# Allegro board SDHCalFEB.brd (continued)
## Routing (per net, layer and track width the routed paths; a pad name or vN(x,y) marks a point on that pad's centre or on a via; arc(x,y) is an arc through that point) (continued)
ANALOGIN10_ASIC_B7: length 22.1
  TOP w0.127: C619.2 47.65,244.7 49.64,242.72 U520.155
ANALOGIN10_ASIC_C1: length 22.2
  TOP w0.127: U585.155 289.67,162.27 287.65,164.29 C706.2
ANALOGIN10_ASIC_C2: length 22.2
  TOP w0.127: C793.2 207.67,165.23 209.66,163.24 U650.155
ANALOGIN10_ASIC_C3: length 22.2
  TOP w0.127: U715.155 129.65,163.01 127.66,165 C880.2
ANALOGIN10_ASIC_C4: length 22.2
  TOP w0.127: C967.2 47.65,164.21 49.64,162.22 U780.155
ANALOGIN10_ASIC_D1: length 22.1
  TOP w0.127: U845.155 289.67,82.95 287.65,84.96 C1054.2
ANALOGIN10_ASIC_D2: length 22.2
  TOP w0.127: C1141.2 207.67,84.43 209.66,82.44 U910.155
ANALOGIN10_ASIC_D3: length 22.2
  TOP w0.127: U975.155 129.65,83.48 127.66,85.47 C1228.2
ANALOGIN10_ASIC_D4: length 22.2
  TOP w0.127: U1040.155 49.64,82.44 47.65,84.43 C1315.2
ANALOGIN11_ASIC_A1: length 21.4
  TOP w0.127: C11.2 285.25,324.76 289.02,320.99 U65.156
ANALOGIN11_ASIC_A2: length 21.4
  TOP w0.127: C98.2 205.22,324.42 209.01,320.63 U130.156
ANALOGIN11_ASIC_A3: length 21.4
  TOP w0.127: C185.2 125.21,324.85 129,321.07 U195.156
ANALOGIN11_ASIC_A4: length 19.4
  TOP w0.127: U260.156 48.99,319.87 46.58,322.28 46.58,329.87 45.26,331.19 C272.2
ANALOGIN11_ASIC_B1: length 21.5
  TOP w0.127: C359.2 285.25,253.19 287.32,251.11 287.32,242.47 289.02,240.78 U325.156
ANALOGIN11_ASIC_B5: length 21.4
  TOP w0.127: U390.156 209.01,242.27 206.71,244.58 206.71,251.7 205.24,253.16 C446.2
ANALOGIN11_ASIC_B6: length 21.4
  TOP w0.127: U455.156 129,240.98 126.62,243.36 126.62,251.75 125.26,253.11 C533.2
ANALOGIN11_ASIC_B7: length 21.4
  TOP w0.127: C620.2 45.25,253.16 46.84,251.57 46.84,244.25 48.99,242.1 U520.156
ANALOGIN11_ASIC_C1: length 21.4
  TOP w0.127: C707.2 286.84,171.5 286.84,163.98 289.02,161.81 U585.156
ANALOGIN11_ASIC_C2: length 21.4
  TOP w0.127: U650.156 209.01,162.8 207.09,164.72 207.09,171.28 205.24,173.13 C794.2
ANALOGIN11_ASIC_C3: length 21.4
  TOP w0.127: U715.156 129,162.57 126.62,164.95 126.62,171.77 125.25,173.13 C881.2
ANALOGIN11_ASIC_C4: length 21.3
  TOP w0.127: C968.2 45.23,172.19 46.66,170.76 46.66,164.03 48.99,161.71 U780.156
ANALOGIN11_ASIC_D1: length 21.4
  TOP w0.127: U845.156 289.02,82.2 286.94,84.28 286.94,91.42 285.25,93.12 C1055.2
ANALOGIN11_ASIC_D2: length 21.4
  TOP w0.127: C1142.2 205.24,93.12 206.86,91.5 206.86,83.67 209.01,81.52 U910.156
ANALOGIN11_ASIC_D3: length 21.4
  TOP w0.127: U975.156 129,83.19 126.95,85.24 126.95,91.4 125.26,93.09 C1229.2
ANALOGIN11_ASIC_D4: length 21.4
  TOP w0.127: C1316.2 45.25,93.12 46.79,91.58 46.79,83.52 48.99,81.31 U1040.156
ANALOGIN12_ASIC_A1: length 13.3
  TOP w0.127: C12.2 288.37,319.99 U65.157
ANALOGIN12_ASIC_A2: length 13.3
  TOP w0.127: C99.2 208.36,320.08 U130.157
ANALOGIN12_ASIC_A3: length 13.3
  TOP w0.127: U195.157 128.35,320.09 123.72,324.71 C186.2
ANALOGIN12_ASIC_A4: length 8.3
  TOP w0.127: C273.2 48.34,315.12 U260.157
ANALOGIN12_ASIC_B1: length 7.8
  TOP w0.127: C360.2 285.5,239.95 288.37,237.09 U325.157
ANALOGIN12_ASIC_B5: length 14.2
  TOP w0.127: U390.157 208.36,241.78 205.23,244.91 C447.2
ANALOGIN12_ASIC_B6: length 14.1
  TOP w0.127: C534.2 125.22,243.74 128.35,240.61 U455.157
ANALOGIN12_ASIC_B7: length 14.1
  TOP w0.127: U520.157 48.34,241.32 45.24,244.42 C621.2
ANALOGIN12_ASIC_C1: length 14.1
  TOP w0.127: U585.157 288.37,161.24 285.24,164.36 C708.2
ANALOGIN12_ASIC_C2: length 14.1
  TOP w0.127: U650.157 208.36,162.2 205.23,165.33 C795.2
ANALOGIN12_ASIC_C3: length 14.1
  TOP w0.127: C882.2 125.22,165.35 128.35,162.23 U715.157
ANALOGIN12_ASIC_C4: length 14.1
  TOP w0.127: U780.157 48.34,161.14 45.24,164.24 C969.2
ANALOGIN12_ASIC_D1: length 14.1
  TOP w0.127: U845.157 288.37,81.45 285.22,84.61 C1056.2
ANALOGIN12_ASIC_D2: length 14.1
  TOP w0.127: U910.157 208.36,80.85 205.23,83.97 C1143.2
ANALOGIN12_ASIC_D3: length 14.1
  TOP w0.127: U975.157 128.35,82.22 125.22,85.34 C1230.2
ANALOGIN12_ASIC_D4: length 14.1
  TOP w0.127: C1317.2 45.21,83.57 48.34,80.44 U1040.157
ANALOGIN13_ASIC_A1: length 21.5
  TOP w0.127: C13.2 277.76,325.44 287.72,315.48 U65.158
ANALOGIN13_ASIC_A2: length 18.5
  TOP w0.127: C100.2 197.68,325.31 207.71,315.28 U130.158
ANALOGIN13_ASIC_A3: length 19.4
  TOP w0.127: C187.2 119.18,324 127.7,315.48 U195.158
ANALOGIN13_ASIC_B1: length 21.5
  TOP w0.127: C361.2 277.72,245.52 287.72,235.52 U325.158
ANALOGIN13_ASIC_B5: length 21.5
  TOP w0.127: C448.2 197.69,244.91 207.71,234.89 U390.158
ANALOGIN13_ASIC_B6: length 21.5
  TOP w0.127: U455.158 127.7,235.27 117.7,245.26 C535.2
ANALOGIN13_ASIC_C1: length 21.5
  TOP w0.127: C709.2 277.67,165.46 287.72,155.41 U585.158
ANALOGIN13_ASIC_C2: length 21.5
  TOP w0.127: C796.2 197.66,165.35 207.71,155.31 U650.158
ANALOGIN13_ASIC_C3: length 21.5
  TOP w0.127: U715.158 127.7,155.11 117.65,165.15 C883.2
ANALOGIN13_ASIC_D1: length 21.5
  TOP w0.127: U845.158 287.72,75.07 277.65,85.14 C1057.2
ANALOGIN13_ASIC_D2: length 21.5
  TOP w0.127: C1144.2 197.66,85.67 207.71,75.63 U910.158
ANALOGIN13_ASIC_D3: length 21.5
  TOP w0.127: U975.158 127.7,75.6 117.65,85.65 C1231.2
ANALOGIN14_ASIC_A1: length 29
  TOP w0.127: C14.2 273.9,328.26 287.07,315.09 U65.159
ANALOGIN14_ASIC_A2: length 28.8
  TOP w0.127: U130.159 207.06,314.91 193.8,328.17 C101.2
ANALOGIN14_ASIC_A3: length 28.9
  TOP w0.127: U195.159 127.05,314.96 113.87,328.14 C188.2
ANALOGIN14_ASIC_B1: length 28.1
  TOP w0.127: U325.159 287.07,235.11 277.11,245.06 271.39,245.06 C362.2
ANALOGIN14_ASIC_B5: length 28.8
  TOP w0.127: C449.2 193.52,248.18 207.06,234.65 U390.159
ANALOGIN14_ASIC_B6: length 28.9
  TOP w0.127: C536.2 113.77,248.23 127.05,234.95 U455.159
ANALOGIN14_ASIC_C1: length 29
  TOP w0.127: U585.159 287.07,155.04 273.89,168.22 C710.2
ANALOGIN14_ASIC_C2: length 28.8
  TOP w0.127: U650.159 207.06,154.74 193.57,168.22 C797.2
ANALOGIN14_ASIC_C3: length 28.8
  TOP w0.127: U715.159 127.05,154.69 113.49,168.25 C884.2
ANALOGIN14_ASIC_D1: length 29
  TOP w0.127: C1058.2 273.76,88.24 287.07,74.93 U845.159
ANALOGIN14_ASIC_D2: length 29.1
  TOP w0.127: C1145.2 194.03,88.24 207.06,75.21 U910.159
ANALOGIN14_ASIC_D3: length 28.9
  TOP w0.127: C1232.2 113.64,88.27 127.05,74.86 U975.159
ANALOGIN15_ASIC_A1: length 4.5
  TOP w0.127: C15.2 279.7,310.68 281.16,309.22 U65.3
ANALOGIN15_ASIC_A2: length 4.5
  TOP w0.127: C102.2 201.13,309.22 U130.3
ANALOGIN15_ASIC_A3: length 4.6
  TOP w0.127: U195.3 121.02,309.22 C189.2
ANALOGIN15_ASIC_A4: length 6.9
  TOP w0.127: U260.3 40.19,309.22 C276.2
ANALOGIN15_ASIC_B1: length 4.6
  TOP w0.127: C363.2 279.66,230.68 281.14,229.21 U325.3
ANALOGIN15_ASIC_B5: length 4.6
  TOP w0.127: U390.3 201.11,229.21 C450.2
ANALOGIN15_ASIC_B6: length 4.5
  TOP w0.127: C537.2 121.15,229.21 U455.3
ANALOGIN15_ASIC_B7: length 4.5
  TOP w0.127: C624.2 41.14,229.21 U520.3
ANALOGIN15_ASIC_C1: length 4.5
  TOP w0.127: C711.2 281.17,149.2 U585.3
ANALOGIN15_ASIC_C2: length 4.5
  TOP w0.127: U650.3 201.14,149.2 C798.2
ANALOGIN15_ASIC_C3: length 4.5
  TOP w0.127: U715.3 121.15,149.2 C885.2
ANALOGIN15_ASIC_C4: length 4.5
  TOP w0.127: C972.2 41.17,149.2 U780.3
ANALOGIN15_ASIC_D1: length 4.5
  TOP w0.127: C1059.2 281.17,69.19 U845.3
ANALOGIN15_ASIC_D2: length 4.5
  TOP w0.127: U910.3 201.16,69.19 C1146.2
ANALOGIN15_ASIC_D3: length 4.5
  TOP w0.127: U975.3 121.21,69.19 C1233.2
ANALOGIN15_ASIC_D4: length 6.5
  TOP w0.127: U1040.3 42.16,69.19 39.19,72.17 C1320.2
ANALOGIN16_ASIC_A1: length 16.7
  TOP w0.127: C16.2 277.66,310.83 279.92,308.57 U65.4
ANALOGIN16_ASIC_A2: length 16.7
  TOP w0.127: C103.2 197.71,310.69 199.84,308.57 U130.4
ANALOGIN16_ASIC_A3: length 16.7
  TOP w0.127: U195.4 119.83,308.57 117.68,310.72 C190.2
ANALOGIN16_ASIC_B1: length 16.7
  TOP w0.127: U325.4 279.92,228.56 277.74,230.75 C364.2
ANALOGIN16_ASIC_B5: length 16.8
  TOP w0.127: C451.2 197.69,230.58 199.71,228.56 U390.4
ANALOGIN16_ASIC_B6: length 16.9
  TOP w0.127: C538.2 117.68,230.48 119.6,228.56 U455.4
ANALOGIN16_ASIC_C1: length 16.8
  TOP w0.127: U585.4 279.8,148.55 277.67,150.67 C712.2
ANALOGIN16_ASIC_C2: length 16.7
  TOP w0.127: U650.4 199.89,148.55 197.66,150.77 C799.2
ANALOGIN16_ASIC_C3: length 16.8
  TOP w0.127: C886.2 117.68,150.65 119.78,148.55 U715.4
ANALOGIN16_ASIC_D1: length 16.7
  TOP w0.127: U845.4 279.92,68.54 277.65,70.82 C1060.2
ANALOGIN16_ASIC_D2: length 16.9
  TOP w0.127: U910.4 199.63,68.54 197.66,70.51 C1147.2
ANALOGIN16_ASIC_D3: length 16.7
  TOP w0.127: U975.4 119.93,68.54 117.65,70.82 C1234.2
ANALOGIN17_ASIC_A1: length 23.1
  TOP w0.127: U65.5 279.53,307.92 276.5,310.95 276.5,314.2 270,320.7 C17.2
ANALOGIN17_ASIC_A2: length 23.2
  TOP w0.127: C104.2 190.13,320.71 197.08,313.77 197.08,310.34 199.5,307.92 U130.5
ANALOGIN17_ASIC_A3: length 23
  TOP w0.127: U195.5 119.44,307.92 116.79,310.57 116.79,313.77 109.82,320.74 C191.2
ANALOGIN17_ASIC_B1: length 23.1
  TOP w0.127: U325.5 279.63,227.91 277.06,230.48 277.06,233.81 270.16,240.71 C365.2
ANALOGIN17_ASIC_B5: length 23.5
  TOP w0.127: U390.5 199.4,227.91 197.18,230.12 197.18,234.14 190.61,240.71 C452.2
ANALOGIN17_ASIC_B6: length 23.5
  TOP w0.127: U455.5 119.16,227.91 117.04,230.02 117.04,234.09 110.44,240.69 C539.2
ANALOGIN17_ASIC_C1: length 23.5
  TOP w0.127: U585.5 279.43,147.9 276.99,150.34 276.99,154.28 270.56,160.7 C713.2
ANALOGIN17_ASIC_C2: length 23.3
  TOP w0.127: C800.2 190.33,160.7 196.82,154.2 196.82,150.52 199.45,147.9 U650.5
ANALOGIN17_ASIC_C3: length 23.6
  TOP w0.127: C887.2 110.52,160.7 117.02,154.2 117.02,150.14 119.26,147.9 U715.5
ANALOGIN17_ASIC_D1: length 23.1
  TOP w0.127: U845.5 279.68,67.89 277.01,70.56 277.01,73.79 270.11,80.69 C1061.2
ANALOGIN17_ASIC_D2: length 23.5
  TOP w0.127: U910.5 199.27,67.89 196.93,70.23 196.93,74.19 190.43,80.69 C1148.2
ANALOGIN17_ASIC_D3: length 22.9
  TOP w0.127: C1235.2 109.66,80.69 116.94,73.41 116.94,70.51 119.56,67.89 U975.5
ANALOGIN18_ASIC_A1: length 26.7
  TOP w0.127: U65.6 279.17,307.27 275.49,310.95 275.49,313.77 270.15,319.1 265.01,319.1 263.94,320.17 C18.2
ANALOGIN18_ASIC_A2: length 27.7
  TOP w0.127: C105.2 183.26,320.01 184.05,319.23 190.6,319.23 196.39,313.44 196.39,309.93 199.05,307.27 U130.6
ANALOGIN18_ASIC_A3: length 26.5
  TOP w0.127: C192.2 109.87,319.52 116.08,313.31 116.08,310.21 119.02,307.26 122.57,307.26 122.58,307.27 U195.6
ANALOGIN18_ASIC_A4: length 16.8
  TOP w0.127: C279.2 32.88,314.82 40.43,307.27 U260.6
ANALOGIN18_ASIC_B1: length 26.4
  TOP w0.127: C366.2 270.18,239.49 276.4,233.27 276.4,230.2 279.34,227.26 U325.6
ANALOGIN18_ASIC_B5: length 26.9
  TOP w0.127: C453.2 190.68,239.62 196.42,233.88 196.42,229.87 199.03,227.26 U390.6
ANALOGIN18_ASIC_B6: length 26.8
  TOP w0.127: C540.2 110.49,239.64 116.15,233.98 116.15,229.82 118.71,227.26 U455.6
ANALOGIN18_ASIC_B7: length 14.1
  TOP w0.127: C627.2 41.29,227.26 U520.6
ANALOGIN18_ASIC_C1: length 26.4
  TOP w0.127: U585.6 279.17,147.25 276.33,150.09 276.33,153.92 271.07,159.18 C714.2
ANALOGIN18_ASIC_C2: length 26.5
  TOP w0.127: C801.2 190.22,159.58 196.04,153.77 196.04,150.24 199.03,147.25 U650.6
ANALOGIN18_ASIC_C3: length 27.2
  TOP w0.127: C888.2 110.93,159.38 116.13,154.18 116.13,150.01 118.89,147.25 U715.6
ANALOGIN18_ASIC_C4: length 13.6
  TOP w0.127: U780.6 38.94,147.25 32.65,153.54 C975.2
ANALOGIN18_ASIC_D1: length 26.1
  TOP w0.127: U845.6 279.45,67.24 276.53,70.15 276.53,73.15 270.44,79.24 C1062.2
ANALOGIN18_ASIC_D2: length 26.2
  TOP w0.127: U910.6 198.85,67.24 196.19,69.9 196.19,73.61 190.53,79.27 C1149.2
ANALOGIN18_ASIC_D3: length 25.8
  TOP w0.127: U975.6 119.17,67.24 116.28,70.13 116.28,73.05 110.02,79.31 C1236.2
ANALOGIN18_ASIC_D4: length 13.2
  TOP w0.127: U1040.6 41.29,67.24 36.39,72.15 C1323.2
ANALOGIN19_ASIC_A1: length 13.5
  TOP w0.127: U65.7 278.82,306.62 276.24,309.21 C19.2
ANALOGIN19_ASIC_A2: length 13.5
  TOP w0.127: U130.7 198.64,306.62 196.06,309.19 C106.2
ANALOGIN19_ASIC_A3: length 13.5
  TOP w0.127: U195.7 118.47,306.62 115.87,309.22 C193.2
ANALOGIN19_ASIC_B1: length 13.5
  TOP w0.127: U325.7 279.13,226.61 276.56,229.18 C367.2
ANALOGIN19_ASIC_B5: length 13.5
  TOP w0.127: U390.7 198.74,226.61 196.16,229.18 C454.2
ANALOGIN19_ASIC_B6: length 15.6
  TOP w0.127: U455.7 118.42,226.61 114.35,230.68 C541.2
ANALOGIN19_ASIC_C1: length 13.5
  TOP w0.127: C715.2 276.33,149.17 278.9,146.6 U585.7
ANALOGIN19_ASIC_C2: length 13.5
  TOP w0.127: U650.7 198.46,146.6 195.88,149.17 C802.2
ANALOGIN19_ASIC_C3: length 13.5
  TOP w0.127: U715.7 118.45,146.6 115.87,149.17 C889.2
ANALOGIN19_ASIC_D1: length 13.5
  TOP w0.127: C1063.2 276.58,69.16 279.16,66.59 U845.7
ANALOGIN19_ASIC_D2: length 13.4
  TOP w0.127: C1150.2 195.94,69.16 198.51,66.59 U910.7
ANALOGIN19_ASIC_D3: length 13.4
  TOP w0.127: U975.7 118.6,66.59 116.04,69.16 C1237.2
ANALOGIN20_ASIC_A1: length 20.7
  TOP w0.127: C20.2 267.83,310.71 270.38,308.15 276.28,308.15 278.46,305.97 U65.8
ANALOGIN20_ASIC_A2: length 20.8
  TOP w0.127: U130.8 198.37,305.97 196.52,307.82 190.5,307.82 187.83,310.49 C107.2
ANALOGIN20_ASIC_A3: length 21
  TOP w0.127: U195.8 118.13,305.97 115.98,308.13 109.96,308.13 107.77,310.31 C194.2
ANALOGIN20_ASIC_B1: length 20.7
  TOP w0.127: U325.8 278.94,225.96 276.89,228.02 270.59,228.02 267.74,230.86 C368.2
ANALOGIN20_ASIC_B5: length 20.9
  TOP w0.127: U390.8 198.5,225.96 196.82,227.63 190.55,227.63 187.71,230.48 C455.2
ANALOGIN20_ASIC_B6: length 21.1
  TOP w0.127: C542.2 107.72,230.25 108.97,229.01 114.94,229.01 117.98,225.96 U455.8
ANALOGIN20_ASIC_C1: length 20.9
  TOP w0.127: C716.2 267.72,150.5 270.15,148.06 276.5,148.06 278.61,145.95 U585.8
ANALOGIN20_ASIC_C2: length 20.7
  TOP w0.127: U650.8 198.12,145.95 196.09,147.98 190.6,147.98 187.71,150.88 C803.2
ANALOGIN20_ASIC_C3: length 20.9
  TOP w0.127: C890.2 107.72,150.57 110.52,147.78 116.23,147.78 118.06,145.95 U715.8
ANALOGIN20_ASIC_D1: length 20.8
  TOP w0.127: U845.8 278.76,65.94 276.66,68.05 270.38,68.05 267.7,70.73 C1064.2
ANALOGIN20_ASIC_D2: length 20.7
  TOP w0.127: U910.8 198.07,65.94 196.32,67.69 190.91,67.69 187.71,70.88 C1151.2
ANALOGIN20_ASIC_D3: length 21.1
  TOP w0.127: C1238.2 107.7,70.25 110.06,67.89 116.15,67.89 118.11,65.94 U975.8
ANALOGIN21_ASIC_A1: length 20.3
  TOP w0.127: U65.9 278.07,305.32 275.84,307.54 269.76,307.54 265.9,311.41 C21.2
ANALOGIN21_ASIC_A2: length 20.8
  TOP w0.127: C108.2 185.39,311.63 190.09,306.93 196.16,306.93 197.78,305.32 U130.9
ANALOGIN21_ASIC_A3: length 20.5
  TOP w0.127: U195.9 117.87,305.32 115.77,307.42 109.41,307.42 C195.2
ANALOGIN21_ASIC_A4: length 21.5
  TOP w0.127: C282.2 30.29,314.57 39.54,305.32 U260.9
ANALOGIN21_ASIC_B1: length 20.9
  TOP w0.127: C369.2 266.17,231.44 270.13,227.48 276.43,227.48 278.6,225.31 U325.9
ANALOGIN21_ASIC_B5: length 21
  TOP w0.127: C456.2 185.83,231.52 190.47,226.87 196.6,226.87 198.16,225.31 U390.9
ANALOGIN21_ASIC_B6: length 20.9
  TOP w0.127: C543.2 108.28,228.35 114.76,228.35 117.79,225.31 U455.9
ANALOGIN21_ASIC_B7: length 18.7
  TOP w0.127: C630.2 30.32,235.51 40.53,225.31 U520.9
ANALOGIN21_ASIC_C1: length 20.9
  TOP w0.127: U585.9 278.32,145.3 276.15,147.47 269.16,147.47 C717.2
ANALOGIN21_ASIC_C2: length 20.8
  TOP w0.127: C804.2 186.14,151.41 190.35,147.19 196.01,147.19 197.9,145.3 U650.9
ANALOGIN21_ASIC_C3: length 20.9
  TOP w0.127: C891.2 105.85,151.38 110.19,147.04 116.03,147.04 117.77,145.3 U715.9
ANALOGIN21_ASIC_C4: length 18.3
  TOP w0.127: U780.9 38.09,145.3 29.84,153.55 C978.2
ANALOGIN21_ASIC_D1: length 20.8
  TOP w0.127: U845.9 278.32,65.29 276.3,67.31 269.99,67.31 265.91,71.39 C1065.2
ANALOGIN21_ASIC_D2: length 20.8
  TOP w0.127: C1152.2 186.25,71.26 190.68,66.83 196.14,66.83 197.68,65.29 U910.9
ANALOGIN21_ASIC_D3: length 20.8
  TOP w0.127: U975.9 117.72,65.29 115.77,67.23 109.36,67.23 105.29,71.3 C1239.2
ANALOGIN21_ASIC_D4: length 12.9
  TOP w0.127: U1040.9 40.12,65.29 35.88,69.53 C1326.2
ANALOGIN22_ASIC_A1: length 47.5
  TOP w0.127: v2(284.77,304.67) U65.10 ; C22.2 v2(324.73,313.85)
  GND1 w0.127: v2(324.73,313.85) v3(325.47,313.85) ; v2(284.77,304.67) v3(285.51,304.67)
  SIG3 w0.127: v3(325.47,313.85) 322.11,310.49 291.33,310.49 v3(285.51,304.67)
ANALOGIN22_ASIC_A2: length 45.2
  TOP w0.127: v2(204.76,304.67) U130.10 ; v2(244.07,313.65) C109.2
  GND1 w0.127: v2(244.07,313.65) v3(243.33,313.65) ; v2(204.76,304.67) v3(205.5,304.67)
  SIG3 w0.127: v3(205.5,304.67) 211.37,310.54 240.22,310.54 v3(243.33,313.65)
ANALOGIN22_ASIC_A3: length 45.9
  TOP w0.127: v2(124.75,304.67) U195.10 ; C196.2 v2(164.8,313.73)
  GND1 w0.127: v2(164.8,313.73) v3(164.06,313.73) ; v2(124.75,304.67) v3(125.49,304.67)
  SIG3 w0.127: v3(164.06,313.73) 149.69,313.73 146.46,310.49 131.31,310.49 v3(125.49,304.67)
ANALOGIN22_ASIC_A4: length 24.1
  TOP w0.127: U260.10 37.61,304.67 C283.2
ANALOGIN22_ASIC_B1: length 46.6
  TOP w0.127: C370.2 v2(325.33,233.75) ; v2(284.77,224.66) U325.10
  GND1 w0.127: v2(284.77,224.66) v3(285.51,224.66) ; v2(325.33,233.75) v3(324.59,233.75)
  SIG3 w0.127: v3(324.59,233.75) 322.83,233.75 319.94,230.86 291.72,230.86 v3(285.51,224.66)
ANALOGIN22_ASIC_B5: length 44.5
  TOP w0.127: U390.10 203.58,224.66 v2(206.1,224.66) ; C457.2 v2(243.79,232.82)
  GND1 w0.127: v2(243.79,232.82) v3(243.05,232.82) ; v2(206.1,224.66) v3(206.83,224.66)
  SIG3 w0.127: v3(243.05,232.82) 241.91,232.82 240.51,231.42 228.37,231.42 221.61,224.66 v3(206.83,224.66)
ANALOGIN22_ASIC_B6: length 44.8
  TOP w0.127: v2(126.39,224.66) 123.57,224.66 U455.10 ; C544.2 v2(164.06,232.77)
  GND1 w0.127: v2(164.06,232.77) v3(163.32,232.77) ; v2(126.39,224.66) v3(127.13,224.66)
  SIG3 w0.127: v3(163.32,232.77) 161.98,232.77 160.5,231.29 144.35,231.29 137.71,224.66 v3(127.13,224.66)
ANALOGIN22_ASIC_B7: length 44.5
  TOP w0.127: v2(46.08,224.66) U520.10 ; C631.2 v2(83.74,232.74)
  GND1 w0.127: v2(46.08,224.66) v3(46.81,224.66) ; v3(83.01,232.74) v2(83.74,232.74)
  SIG3 w0.127: v3(83.01,232.74) 82.96,232.69 81.61,232.69 80.26,231.34 64.97,231.34 58.29,224.66 v3(46.81,224.66)
ANALOGIN22_ASIC_C1: length 44.3
  TOP w0.127: C718.2 v2(323.55,152.76) ; v2(286.23,144.65) U585.10
  GND1 w0.127: v3(286.97,144.65) v2(286.23,144.65) ; v2(323.55,152.76) v3(322.81,152.76)
  SIG3 w0.127: v3(322.81,152.76) 321.49,152.76 320.09,151.36 308.33,151.36 301.62,144.65 v3(286.97,144.65)
ANALOGIN22_ASIC_C2: length 44.4
  TOP w0.127: v2(206.53,144.65) U650.10 ; C805.2 v2(243.64,152.68)
  GND1 w0.127: v2(243.64,152.68) v3(242.95,152.68) ; v2(206.53,144.65) v3(207.26,144.65)
  SIG3 w0.127: v3(242.95,152.68) 241.1,152.68 239.73,151.31 224.36,151.31 217.7,144.65 v3(207.26,144.65)
ANALOGIN22_ASIC_C3: length 44.4
  TOP w0.127: v2(126.09,144.65) U715.10 ; C892.2 v2(163.65,152.76)
  GND1 w0.127: v2(163.65,152.76) v3(162.89,152.76) ; v2(126.09,144.65) v3(126.82,144.65)
  SIG3 w0.127: v3(126.82,144.65) 139.54,144.65 146.33,151.43 160.5,151.43 161.82,152.76 v3(162.89,152.76)
ANALOGIN22_ASIC_C4: length 44.7
  TOP w0.127: v2(44.74,144.65) U780.10 ; C979.2 v2(83.95,152.78)
  GND1 w0.127: v3(83.21,152.78) v2(83.95,152.78) ; v3(45.48,144.65) v2(44.74,144.65)
  SIG3 w0.127: v3(45.48,144.65) 60.02,144.65 66.75,151.38 80.95,151.38 82.35,152.78 v3(83.21,152.78)
ANALOGIN22_ASIC_D1: length 45.6
  TOP w0.127: v2(284.78,64.64) U845.10 ; C1066.2 v2(324.49,73.72)
  GND1 w0.127: v3(285.51,64.64) v2(284.78,64.64) ; v2(324.49,73.72) v3(323.75,73.72)
  SIG3 w0.127: v3(285.51,64.64) 290.06,69.19 312.93,69.19 315.04,71.3 320.27,71.3 322.69,73.72 v3(323.75,73.72)
ANALOGIN22_ASIC_D2: length 45.6
  TOP w0.127: v2(204.76,64.64) U910.10 ; C1153.2 v2(244.28,73.72)
  GND1 w0.127: v2(204.76,64.64) v3(205.5,64.64) ; v2(244.28,73.72) v3(243.19,73.72)
  SIG3 w0.127: v3(205.5,64.64) 210.78,69.92 234.05,69.92 235.59,71.45 240.92,71.45 v3(243.19,73.72)
ANALOGIN22_ASIC_D3: length 44.9
  TOP w0.127: v2(124.75,64.64) U975.10 ; C1240.2 v2(163.78,73.72)
  GND1 w0.127: v2(163.78,73.72) v3(163.04,73.72) ; v2(124.75,64.64) v3(125.49,64.64)
  SIG3 w0.127: v3(125.49,64.64) 130.77,69.92 153.94,69.92 155.4,71.37 160.69,71.37 v3(163.04,73.72)
ANALOGIN22_ASIC_D4: length 45.1
  TOP w0.127: v2(44.74,64.64) U1040.10 ; C1327.2 v2(83.92,73.71)
  GND1 w0.127: v2(44.74,64.64) v3(45.48,64.64) ; v2(83.92,73.71) v3(83.19,73.71)
  SIG3 w0.127: v3(45.48,64.64) 50.72,69.88 73.13,69.88 74.73,71.48 79.91,71.48 82.14,73.71 v3(83.19,73.71)
ANALOGIN23_ASIC_A1: length 45.7
  TOP w0.127: C23.2 v2(323.51,307.78) ; v2(282.41,304.02) U65.11
  GND1 w0.127: v3(283.15,304.02) v2(282.41,304.02) ; v2(323.51,307.78) v3(322.75,307.78)
  SIG3 w0.127: v3(322.75,307.78) 322.22,307.26 314.3,307.26 313.61,307.95 290.25,307.95 286.32,304.02 v3(283.15,304.02)
ANALOGIN23_ASIC_A2: length 44.6
  TOP w0.127: C110.2 v2(242.24,309.26) ; v2(202.4,304.02) U130.11
  GND1 w0.127: v3(241.5,309.26) v2(242.24,309.26) ; v3(203.14,304.02) v2(202.4,304.02)
  SIG3 w0.127: v3(241.5,309.26) 235.7,309.26 235.17,309.79 212.15,309.79 206.38,304.02 v3(203.14,304.02)
ANALOGIN23_ASIC_A3: length 44.1
  TOP w0.127: v2(122.39,304.02) U195.11 ; C197.2 v2(162.23,309.23)
  GND1 w0.127: v2(162.23,309.23) v3(161.49,309.23) ; v3(123.13,304.02) v2(122.39,304.02)
  SIG3 w0.127: v3(161.49,309.23) 154.14,309.23 153.47,308.56 132.03,308.56 127.49,304.02 v3(123.13,304.02)
ANALOGIN23_ASIC_A4: length 40.7
  TOP w0.127: v2(44.74,304.02) U260.11 ; C284.2 v2(79.48,311.73)
  GND1 w0.127: v2(44.74,304.02) 44.75,304.01 v3(45.49,304.01) ; v2(79.48,311.73) v3(79.48,311.05)
  SIG3 w0.127: v3(45.49,304.01) 49.3,307.82 69.88,307.82 73.1,311.05 v3(79.48,311.05)
ANALOGIN23_ASIC_B1: length 47
  TOP w0.127: v2(282.41,224.01) U325.11 ; C371.2 v2(324.05,227.71)
  GND1 w0.127: v3(283.15,224.04) 282.85,224.04 282.82,224.01 v2(282.41,224.01) ; v2(324.05,227.71) v3(324.05,228.45)
  SIG3 w0.127: v3(283.15,224.04) 286.8,224.04 291.97,229.21 314.73,229.21 315.36,228.57 323.93,228.57 v3(324.05,228.45)
ANALOGIN23_ASIC_B5: length 51.3
  TOP w0.127: v2(202.4,224.01) 203.58,224.01 U390.11 ; C458.2 v2(248.74,230.73)
  GND1 w0.127: v2(202.4,224.01) v3(203.14,224.01) ; v2(248.74,230.73) v3(248.01,230.73)
  SIG3 w0.127: v3(248.01,230.73) 235.71,230.73 234.85,229.87 228.78,229.87 222.92,224.01 v3(203.14,224.01)
ANALOGIN23_ASIC_B6: length 51.2
  TOP w0.127: U455.11 123.57,224.01 v2(122.39,224.01) ; C545.2 v2(168.68,230.73)
  GND1 w0.127: v2(168.68,230.73) v3(167.94,230.73) ; v2(122.39,224.01) v3(123.13,224.01)
  SIG3 w0.127: v3(123.13,224.01) 138.84,224.01 145.56,230.73 v3(167.94,230.73)
ANALOGIN23_ASIC_B7: length 51.3
  TOP w0.127: v2(88.67,230.73) C632.2 ; v2(42.34,224.01) U520.11
  GND1 w0.127: v2(88.67,230.73) v3(87.93,230.73) ; v3(43.08,224.01) v2(42.34,224.01)
  SIG3 w0.127: v3(43.08,224.01) 60.23,224.01 66.95,230.73 v3(87.93,230.73)
ANALOGIN23_ASIC_C1: length 51.2
  TOP w0.127: v2(328.68,150.72) C719.2 ; v2(282.41,144) U585.11
  GND1 w0.127: v2(328.68,150.72) v3(327.94,150.72) ; v2(282.41,144) v3(283.15,144)
  SIG3 w0.127: v3(327.94,150.72) 309.67,150.72 302.95,144 v3(283.15,144)
ANALOGIN23_ASIC_C2: length 51.2
  TOP w0.127: v2(202.4,144) U650.11 ; C806.2 v2(248.67,150.72)
  GND1 w0.127: v2(202.4,144) v3(203.14,144) ; v2(248.67,150.72) v3(247.93,150.72)
  SIG3 w0.127: v3(203.14,144) 218.45,144 225.17,150.72 v3(247.93,150.72)
ANALOGIN23_ASIC_C3: length 51.2
  TOP w0.127: C893.2 v2(168.68,150.72) ; v2(122.39,144) U715.11
  GND1 w0.127: v2(122.39,144) v3(123.13,144) ; v2(168.68,150.72) v3(167.94,150.72)
  SIG3 w0.127: v3(123.13,144) 140.09,144 145.95,149.86 154.31,149.86 155.17,150.72 v3(167.94,150.72)
ANALOGIN23_ASIC_C4: length 51.2
  TOP w0.127: C980.2 v2(88.67,150.72) ; v2(42.38,144) U780.11
  GND1 w0.127: v2(88.67,150.72) v3(87.93,150.72) ; v2(42.38,144) v3(43.12,144)
  SIG3 w0.127: v3(87.93,150.72) 74.6,150.72 73.69,149.81 66.45,149.81 60.64,144 v3(43.12,144)
ANALOGIN23_ASIC_D1: length 51.2
  TOP w0.127: v2(282.41,63.99) U845.11 ; C1067.2 v2(328.68,70.7)
  GND1 w0.127: v2(282.41,63.99) v3(283.15,63.99) ; v2(328.68,70.7) v3(327.94,70.7)
  SIG3 w0.127: v3(327.94,70.7) 327.04,69.8 315.85,69.8 313.94,67.89 289.79,67.89 285.88,63.99 v3(283.15,63.99)
ANALOGIN23_ASIC_D2: length 51.2
  TOP w0.127: C1154.2 v2(248.69,70.7) ; v2(202.4,63.99) U910.11
  GND1 w0.127: v3(203.14,63.99) v2(202.4,63.99) ; v2(248.69,70.7) v3(247.95,70.7)
  SIG3 w0.127: v3(203.14,63.99) 206.66,63.99 211.23,68.55 234.11,68.55 236.26,70.7 v3(247.95,70.7)
ANALOGIN23_ASIC_D3: length 51.2
  TOP w0.127: C1241.2 v2(168.66,70.7) ; v2(122.39,63.99) U975.11
  GND1 w0.127: v2(168.66,70.7) v3(167.92,70.7) ; v3(123.13,63.99) v2(122.39,63.99)
  SIG3 w0.127: v3(123.13,63.99) 126.02,63.99 130.53,68.5 154,68.5 156.2,70.7 v3(167.92,70.7)
ANALOGIN23_ASIC_D4: length 51.2
  TOP w0.127: C1328.2 v2(88.65,70.71) ; v2(42.38,63.99) U1040.11
  GND1 w0.127: v3(43.12,63.99) v2(42.38,63.99) ; v2(88.65,70.71) v3(87.91,70.71)
  SIG3 w0.127: v3(87.91,70.71) 75.51,70.71 73.36,68.55 50.52,68.55 45.95,63.99 v3(43.12,63.99)
ANALOGIN24_ASIC_A1: length 51.6
  TOP w0.127: C24.2 v2(332.14,307.24) ; v2(286.36,303.37) U65.12
  GND1 w0.127: v2(332.14,307.24) v3(331.41,307.24) ; v3(287.1,303.37) v2(286.36,303.37)
  SIG3 w0.127: v3(331.41,307.24) 330.16,305.99 315.77,305.99 315.23,306.54 290.27,306.54 v3(287.1,303.37)
ANALOGIN24_ASIC_A2: length 51
  TOP w0.127: v2(249.68,309.25) 250.66,309.25 C111.2 ; v2(204.76,303.37) U130.12
  GND1 w0.127: v2(204.76,303.37) v3(204.03,303.37) ; v3(248.95,309.25) v2(249.68,309.25)
  SIG3 w0.127: v3(248.95,309.25) 247.62,307.92 235.59,307.92 234.95,307.29 211.73,307.29 207.81,303.37 v3(204.03,303.37)
